# Altium PCB ZYNQ_JTY_16CH.PcbDoc (part 1 of 5) (continued)
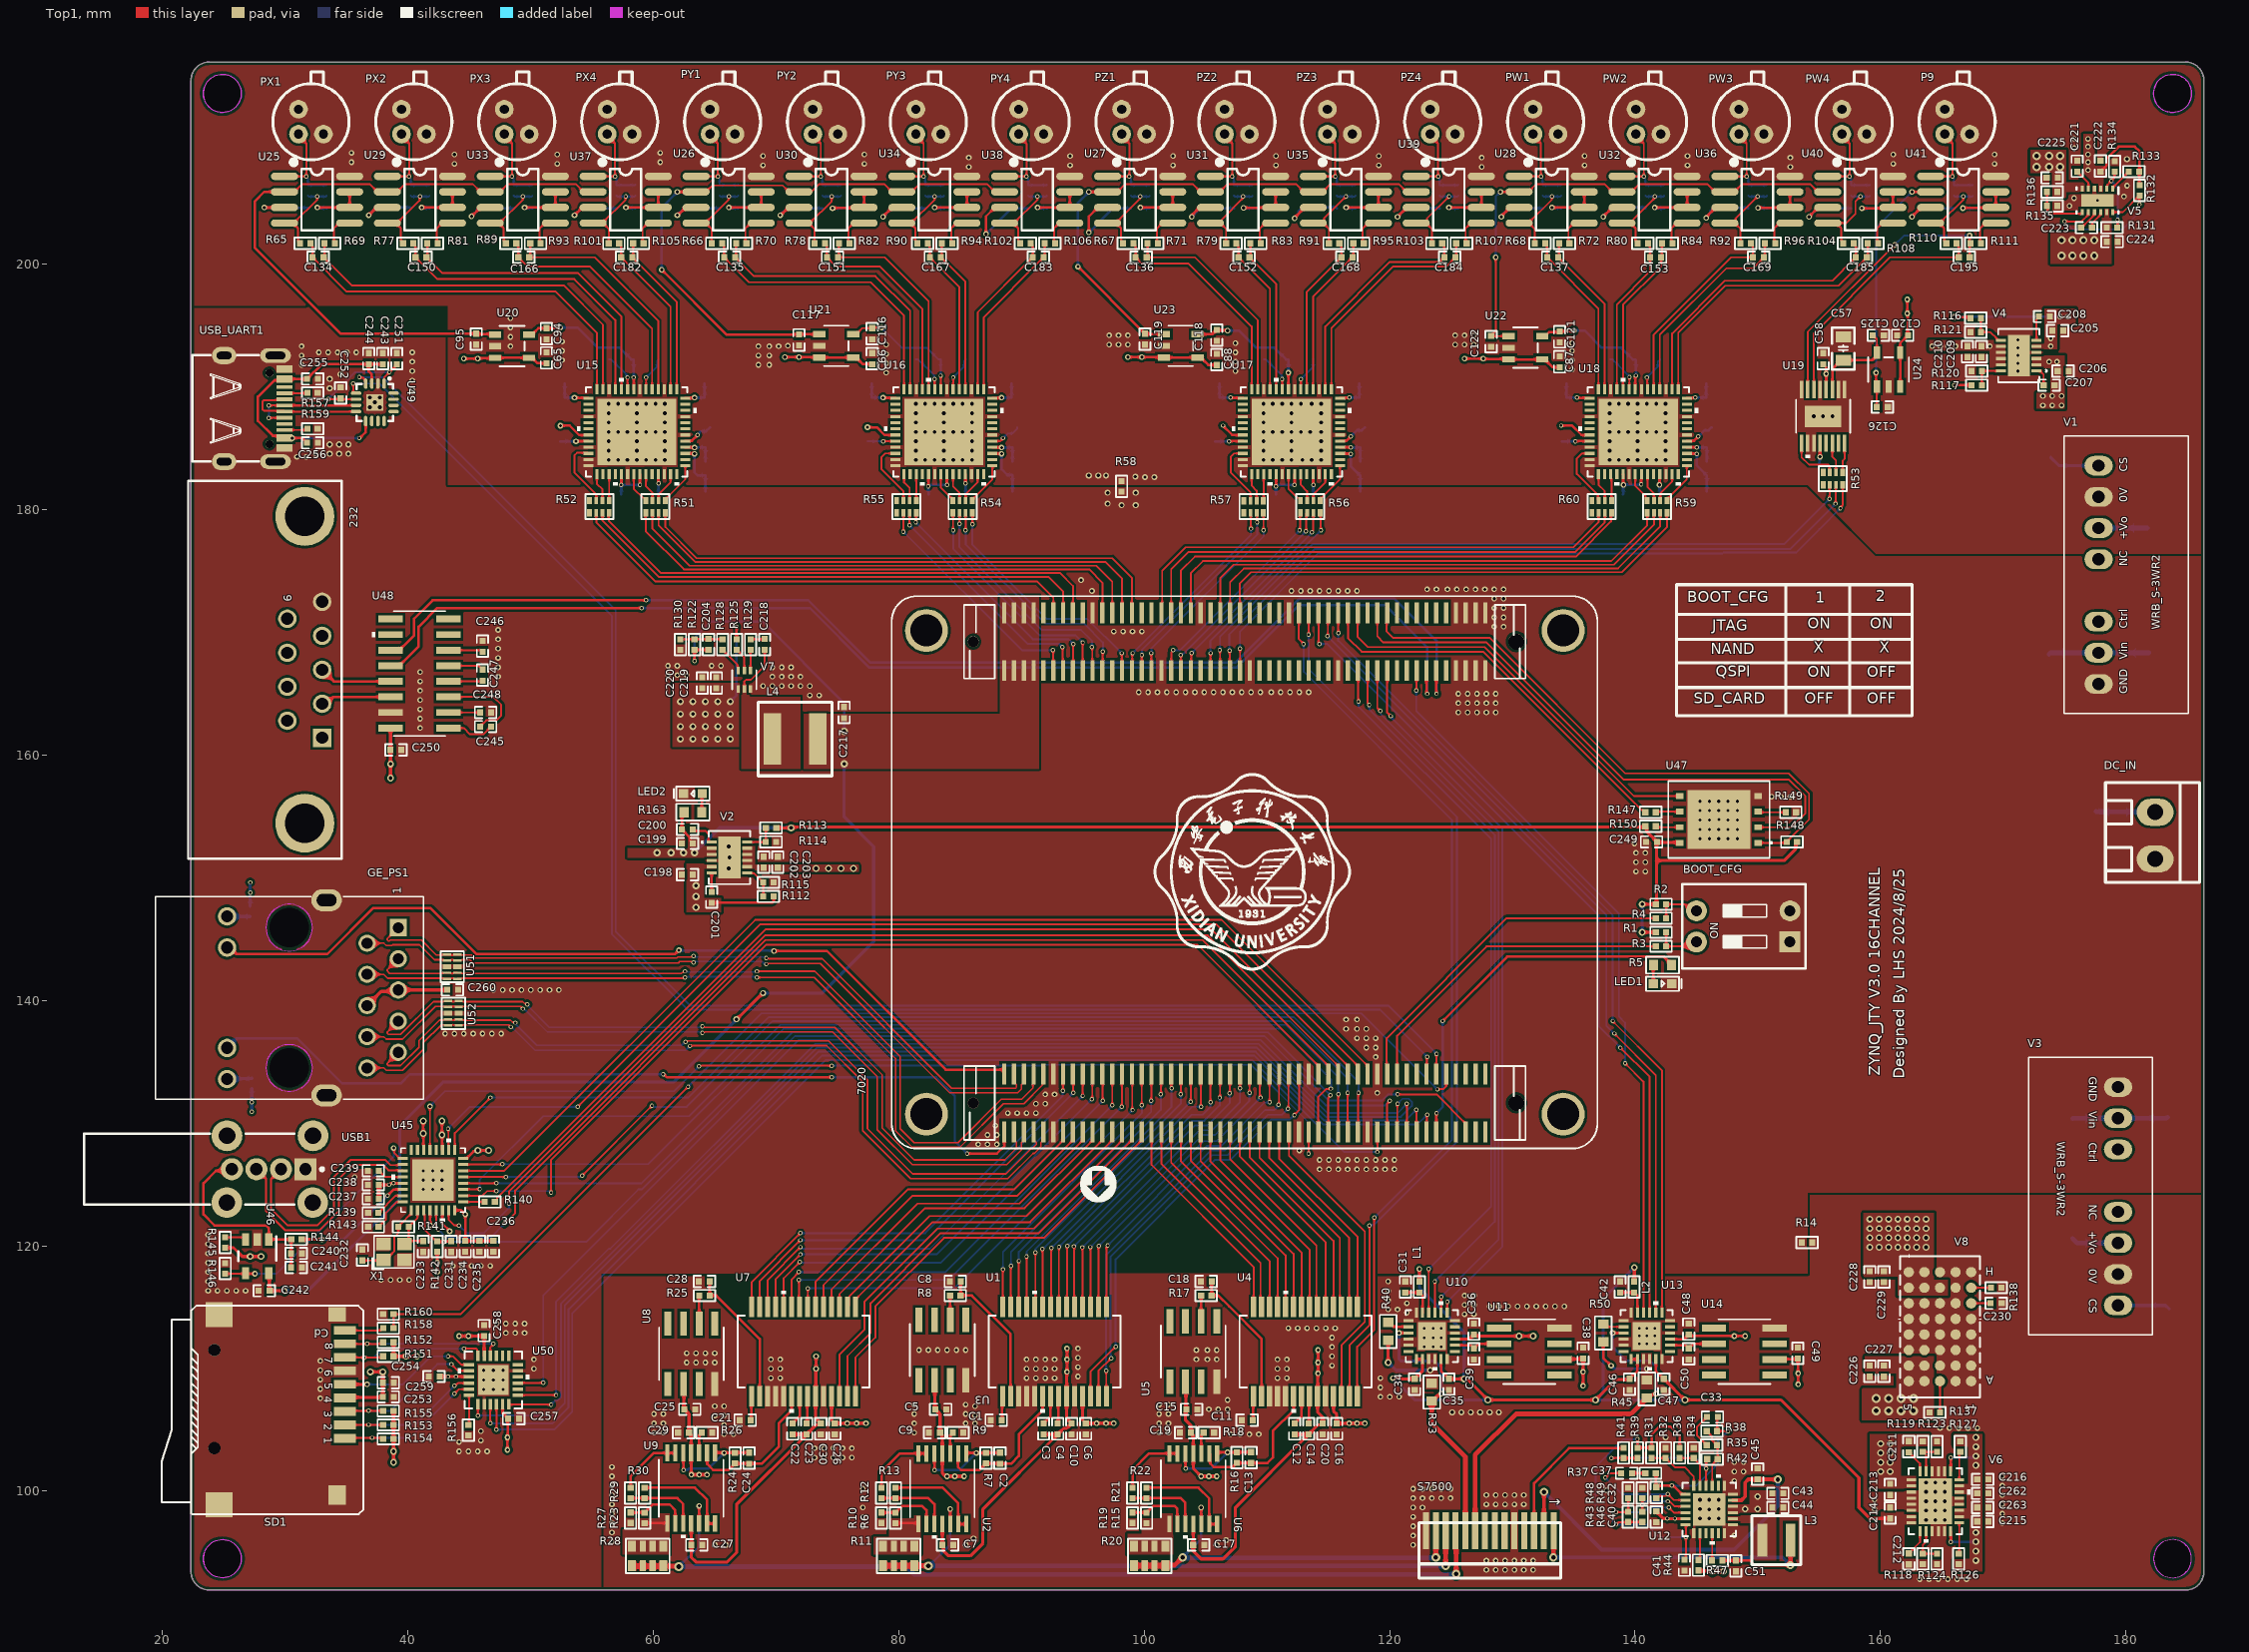
[diagram p0: Top1 view]
## Components (designator, comment, footprint, x,y, rotation, side; value= is the part's Value field where it differs from the comment) (continued)
C207 "10n" C0402_L 173.736,190.119 r0 top
C208 "10n" C0402_L 173.355,195.707 r0 top
C209 "1u" C0402_L 168.217,192.855 r270 top
C210 "104" C0402_L 167.074,192.855 r270 top
C211 "10n" C0402_L 162.306,103.632 r90 top
C212 "10n" C0402_L 162.306,94.491 r270 top
C213 "10u" C0402_L 160.782,100.145 r90 top
C214 "3.3u" C0402_L 160.782,98.229 r270 top
C215 "3.3u" C0402_L 168.333,97.536 r180 top
C216 "3.3u" C0402_L 168.333,100.965 r180 top
C217 "22u" C0402_L 75.565,163.449 r270 top
C218 "1u" C0402_L 69.088,168.996 r270 top
C219 "22u" C0402_L 65.151,165.862 r270 top
C220 "104" C0402_L 64.008,165.862 r270 top
C221 "4.7u" C0402_L 176.022,207.957 r90 top
C222 "4.7u" C0402_L 177.927,207.968 r90 top
C223 "1u" C0402_L 176.784,202.946 r0 top
C224 "2.2u" C0402_L 178.874,201.803 r180 top
C225 "2.2u" C0402_L 173.987,207.01 r180 top
C226 "22u" C0402_L 159.131,109.786 r270 top
C227 "104" C0402_L 160.274,109.786 r270 top
C228 "4.7u" C0402_L 159.131,117.475 r270 top
C229 "104" C0402_L 160.274,117.475 r270 top
C230 "22u" C0402_L 169.418,115.316 r0 top
C231 "10u" C0402_L 43.561,119.946 r90 top
C232 "18P" C0402_L 36.322,119.253 r270 top
C233 "18P" C0402_L 41.275,119.946 r90 top
C234 "104" C0402_L 44.704,119.957 r90 top
C235 "104" C0402_L 45.847,119.957 r90 top
C236 "104" C0402_L 46.99,119.957 r90 top
C237 "104" C0402_L 37.208,123.825 r0 top
C238 "2.2u" C0402_L 37.208,124.968 r0 top
C239 "4.7u" C0402_L 37.208,126.111 r0 top
C240 "104" C0402_L 30.941,119.38 r180 top
C241 "10u" C0402_L 30.941,118.237 r180 top
C242 "104" C0402_L 28.321,116.332 r0 top
C243 "104" C0402_L 37.973,192.278 r90 top
C244 "10u" C0402_L 36.83,192.278 r90 top
C245 "104" C0402_L 46.355,162.306 r180 top
C246 "104" C0402_L 46.101,168.852 r90 top
C247 "104" C0402_L 46.101,166.497 r270 top
C248 "104" C0402_L 46.355,163.449 r0 top
C249 "104" C0402_L 141.351,152.908 r0 top
C250 "104" C0402_L 39.047,160.401 r0 top
C251 "104" C0402_L 39.116,192.278 r270 top
C252 "104" C0402_L 34.544,189.484 r270 top
C253 "104" C0402_L 38.434,107.696 r0 top
C254 "10u" C0402_L 38.434,108.839 r0 top
C255 "104" C0402_L 32.258,190.627 r0 top
C256 "10u" C0402_L 32.258,185.42 r0 top
C257 "104" C0402_L 48.641,105.918 r0 top
C258 "104" C0402_L 46.228,113.088 r90 top
C259 "104" C0402_L 42.164,109.347 r180 top
C260 "104" C0402_L 43.669,140.851 r0 top
C261 "104" C0402_L 177.546,154.94 r90 bottom
C262 "3.3u" C0402_L 168.333,99.822 r180 top
C263 "3.3u" C0402_L 168.333,98.679 r180 top
DC_IN "HDR-1X2" KF128-3.81-2P 182.372,153.416 r270 top
E1 "47uF/16V" C_6032 181.737,181.483 r90 bottom
E2 "100uF/16V" C_6032 173.863,181.229 r270 bottom
E3 "100uF/16V" C_6032 181.864,171.323 r90 bottom
E4 "47uF/16V" C_6032 173.736,171.196 r90 bottom
E5 "47uF/16V" C_6032 175.641,117.602 r270 bottom
E6 "100uF/16V" C_6032 183.515,117.856 r90 bottom
E7 "100uF/16V" C_6032 183.388,133.477 r90 bottom
E8 "47uF/16V" C_6032 175.641,133.35 r90 bottom
E10 "10uF/16V" C_3216 179.324,153.67 r270 bottom
GE_PS1 "RJ45 (ATK911131A)" HR911131A 39.243,145.923 r270 top
L1 "120R@100MHz" FB0402 122.428,116.644 r270 top
L2 "120R@100MHz" FB0402 139.929,116.644 r270 top
L3 "1uH ±20% 2.3A XFL3012-102ME" SWPA3015 151.518,96.012 r180 top
L4 "4.7uH 4.5A" SWPA5020 71.573,161.29 r0 top
LED1 "SB色" LED0603_B 142.24,141.351 r0 top
LED2 "SB色" LED0603_B 63.246,156.845 r180 top
P9 "PD" PD 165.227,213.106 r90 top
PW1 "PD" PD 131.699,213.106 r90 top
PW2 "PD" PD 140.081,213.106 r90 top
PW3 "PD" PD 148.463,213.106 r90 top
PW4 "PD" PD 156.845,213.106 r90 top
PX1 "PD" PD 31.115,213.106 r90 top
PX2 "PD" PD 39.497,213.106 r90 top
PX3 "PD" PD 47.879,213.106 r90 top
PX4 "PD" PD 56.261,213.106 r90 top
PY1 "PD" PD 64.643,213.106 r90 top
PY2 "PD" PD 73.025,213.106 r90 top
PY3 "PD" PD 81.407,213.106 r90 top
PY4 "PD" PD 89.789,213.106 r90 top
PZ1 "PD" PD 98.171,213.106 r90 top
PZ2 "PD" PD 106.553,213.106 r90 top
PZ3 "PD" PD 114.935,213.106 r90 top
PZ4 "PD" PD 123.317,213.106 r90 top
R1 "1K" R0402_L 142.113,145.542 r180 top
R2 "1K" R0402_L 142.113,147.828 r180 top
R3 "20K" R0402_L 142.113,144.399 r180 top
R4 "20K" R0402_L 142.113,146.685 r180 top
R5 "510R" R0603_L 142.24,142.875 r180 top
R6 "200R 1%" R0402_L 79.756,97.834 r270 top
R7 "200R 1%" R0402_L 87.122,102.699 r90 top
R8 "2K 1%" R0402_L 84.626,115.951 r0 top
R9 "200R 1%" R0402_L 84.836,104.775 r180 top
R10 "200R 1%" R0402_L 78.613,97.84 r90 top
R11 "200R 1%" RCA-8P4R-0603 80.01,94.742 r0 top
R12 "200R 1%" R0402_L 78.613,99.86 r270 top
R13 "200R 1%" R0402_L 79.756,99.866 r90 top
R14 "0R" R0402_L 154.007,120.269 r180 top
R15 "200R 1%" R0402_L 100.203,97.834 r270 top
R16 "200R 1%" R0402_L 107.569,102.746 r90 top
R17 "2K 1%" R0402_L 105.073,115.951 r0 top
R18 "200R 1%" R0402_L 105.283,104.775 r180 top
R19 "200R 1%" R0402_L 99.06,97.84 r90 top
R20 "200R 1%" RCA-8P4R-0603 100.457,94.742 r0 top
R21 "200R 1%" R0402_L 99.06,99.86 r270 top
R22 "200R 1%" R0402_L 100.203,99.866 r90 top
R23 "200R 1%" R0402_L 59.309,97.834 r270 top
R24 "200R 1%" R0402_L 66.675,102.699 r90 top
R25 "2K 1%" R0402_L 64.179,115.951 r0 top
R26 "200R 1%" R0402_L 64.389,104.775 r180 top
R27 "200R 1%" R0402_L 58.166,97.84 r90 top
R28 "820R 1%" RCA-8P4R-0603 59.563,94.742 r0 top
R29 "200R 1%" R0402_L 58.166,99.86 r270 top
R30 "200R 1%" R0402_L 59.309,99.866 r90 top
R31 "20K" R0402_L 141.351,103.124 r270 top
R32 "20K" R0402_L 142.494,103.124 r270 top
R33 "2.2R" R0603_L 123.444,108.077 r270 top
R34 "20K" R0402_L 144.78,103.124 r270 top
R35 "20K" R0402_L 146.26,103.759 r0 top
R36 "20K" R0402_L 143.637,103.124 r270 top
R37 "100K" R0402_L 141.268,101.473 r0 top
R38 "1M" R0402_L 146.26,104.902 r180 top
R39 "18K" R0402_L 140.208,103.124 r270 top
R40 "2.2R" R0603_L 119.888,113.03 r90 top
R41 "8.2K" R0402_L 139.065,103.124 r270 top
R42 "82K" R0402_L 146.304,102.616 r0 top
R43 "200K" R0402_L 139.446,97.917 r270 top
R44 "10K" R0402_L 145.161,93.98 r90 top
R45 "2.2R" R0603_L 140.97,108.331 r270 top
R46 "6.8K" R0402_L 140.589,97.917 r270 top
R47 "50R" R0402_L 146.685,94.361 r180 top
R48 "43K" R0402_L 139.446,99.866 r270 top
R49 "10K" R0402_L 140.589,99.866 r270 top
R50 "2.2R" R0603_L 137.414,112.903 r90 top
R51 "33R" RCA-8P4R-0402 60.198,180.213 r180 top
R52 "33R" RCA-8P4R-0402 55.626,180.213 r180 top
R53 "33R" RCA-8P4R-0402 156.121,182.507 r180 top
R54 "33R" RCA-8P4R-0402 85.217,180.213 r180 top
R55 "33R" RCA-8P4R-0402 80.645,180.213 r180 top
R56 "33R" RCA-8P4R-0402 113.538,180.213 r180 top
R57 "33R" RCA-8P4R-0402 108.928,180.205 r180 top
R58 "0R" R0402_L 98.171,181.864 r270 top
R59 "33R" RCA-8P4R-0402 141.793,180.213 r180 top
R60 "33R" RCA-8P4R-0402 137.287,180.213 r180 top
R61 "200K 1%" R0402_L 31.877,205.994 r270 bottom
R62 "200K 1%" R0402_L 65.405,205.994 r270 bottom
R63 "200K 1%" R0402_L 98.933,205.994 r270 bottom
R64 "200K 1%" R0402_L 132.461,205.994 r270 bottom
R65 "25R 1%" R0402_L 31.667,201.676 r0 top
R66 "25R 1%" R0402_L 65.195,201.676 r0 top
R67 "25R 1%" R0402_L 98.723,201.676 r0 top
R68 "25R 1%" R0402_L 132.251,201.676 r0 top
R69 "25R 1%" R0402_L 33.655,201.676 r180 top
R70 "25R 1%" R0402_L 67.183,201.676 r180 top
R71 "25R 1%" R0402_L 100.711,201.676 r180 top
R72 "25R 1%" R0402_L 134.239,201.676 r180 top
R73 "200K 1%" R0402_L 40.259,205.994 r270 bottom
R74 "200K 1%" R0402_L 73.787,205.994 r270 bottom
R75 "200K 1%" R0402_L 107.315,205.994 r270 bottom
R76 "200K 1%" R0402_L 140.843,205.994 r270 bottom
R77 "25R 1%" R0402_L 40.049,201.676 r0 top
R78 "25R 1%" R0402_L 73.577,201.676 r0 top
R79 "25R 1%" R0402_L 107.105,201.676 r0 top
R80 "25R 1%" R0402_L 140.633,201.676 r0 top
R81 "25R 1%" R0402_L 42.037,201.676 r180 top
R82 "25R 1%" R0402_L 75.565,201.676 r180 top
R83 "25R 1%" R0402_L 109.093,201.676 r180 top
R84 "25R 1%" R0402_L 142.621,201.676 r180 top
R85 "200K 1%" R0402_L 48.641,205.994 r270 bottom
R86 "200K 1%" R0402_L 82.169,205.994 r270 bottom
R87 "200K 1%" R0402_L 115.697,205.994 r270 bottom
R88 "200K 1%" R0402_L 149.225,205.994 r270 bottom
R89 "25R 1%" R0402_L 48.431,201.676 r0 top
R90 "25R 1%" R0402_L 81.959,201.676 r0 top
R91 "25R 1%" R0402_L 115.487,201.676 r0 top
R92 "25R 1%" R0402_L 149.015,201.676 r0 top
R93 "25R 1%" R0402_L 50.419,201.676 r180 top
R94 "25R 1%" R0402_L 83.947,201.676 r180 top
R95 "25R 1%" R0402_L 117.475,201.676 r180 top
R96 "25R 1%" R0402_L 151.003,201.676 r180 top
R97 "200K 1%" R0402_L 57.023,205.994 r270 bottom
R98 "200K 1%" R0402_L 90.551,205.994 r270 bottom
R99 "200K 1%" R0402_L 124.079,205.994 r270 bottom
R100 "200K 1%" R0402_L 157.607,205.994 r270 bottom
R101 "25R 1%" R0402_L 56.813,201.676 r0 top
R102 "25R 1%" R0402_L 90.341,201.676 r0 top
R103 "25R 1%" R0402_L 123.869,201.676 r0 top
R104 "25R 1%" R0402_L 157.397,201.676 r0 top
R105 "25R 1%" R0402_L 58.801,201.676 r180 top
R106 "25R 1%" R0402_L 92.329,201.676 r180 top
R107 "25R 1%" R0402_L 125.857,201.676 r180 top
R108 "25R 1%" R0402_L 159.385,201.676 r180 top
R109 "200K 1%" R0402_L 165.989,205.994 r270 bottom
R110 "25R 1%" R0402_L 165.779,201.676 r0 top
R111 "25R 1%" R0402_L 167.767,201.676 r180 top
R112 "120K 1%" R0402_L 69.4,148.463 r0 top
R113 "422K 1%" R0402_L 69.616,154.051 r0 top
R114 "249K 1%" R0402_L 69.61,152.908 r180 top
R115 "249K 1%" R0402_L 69.4,149.606 r180 top
R116 "261K 1%" R0402_L 167.747,195.58 r180 top
R117 "422K 1%" R0402_L 167.836,190.119 r180 top
R118 "357K 1%" R0402_L 163.449,94.488 r270 top
R119 "619K 1%" R0402_L 163.449,103.635 r90 top
R120 "249K 1%" R0402_L 167.836,191.262 r0 top
R121 "249K 1%" R0402_L 167.753,194.437 r0 top
R122 "47K 1%" R0402_L 63.373,168.993 r270 top
R123 "200K 1%" R0402_L 164.592,103.629 r270 top
R124 "210K 1%" R0402_L 164.592,94.494 r90 top
R125 "100K" R0402_L 66.802,168.993 r270 top
R126 "1M" R0402_L 166.37,94.488 r270 top
R127 "1M" R0402_L 166.497,103.632 r90 top
R128 "40.2K 1%" R0402_L 65.659,168.993 r270 top
R129 "10R" R0402_L 67.945,168.993 r270 top
R130 "7.68K" R0402_L 62.23,168.993 r90 top
R131 "140K 1%" R0402_L 178.86,202.946 r180 top
R132 "4.7K" R0402_L 181.102,205.994 r90 top
R133 "10K" R0402_L 180.638,207.518 r0 top
R134 "60K 1%" R0402_L 179.07,207.943 r270 top
R135 "62K 1%" R0402_L 173.99,204.724 r0 top
R136 "140K 1%" R0402_L 173.984,205.867 r180 top
R137 "60.4K 1%" R0402_L 164.421,106.426 r0 top
R138 "130K 1%" R0402_L 169.418,116.586 r180 top
R139 "10K" R0402_L 37.205,122.682 r180 top
R140 "33R" R0402_L 46.692,123.571 r180 top
R141 "1M" R0402_L 39.668,121.539 r180 top
R142 "1.5K" R0402_L 42.418,119.943 r270 top
R143 "8K06" R0402_L 37.211,121.539 r0 top
R144 "1K" R0402_L 30.944,120.523 r0 top
R145 "100K" R0402_L 25.146,120.269 r90 top
R146 "10K" R0402_L 25.146,118.154 r90 top
R147 "33R" R0402_L 141.268,155.321 r180 top
R148 "4.7K" R0402_L 152.781,152.908 r0 top
R149 "4.7K" R0402_L 152.698,155.321 r0 top
R150 "4.7K" R0402_L 141.268,154.178 r180 top
R151 "4.7K" R0402_L 38.431,110.998 r180 top
R152 "4.7K" R0402_L 38.431,112.141 r180 top
R153 "4.7K" R0402_L 38.431,105.41 r180 top
R154 "4.7K" R0402_L 38.431,104.267 r180 top
R155 "4.7K" R0402_L 38.431,106.553 r180 top
R156 "4.7K" R0402_L 44.958,104.985 r270 top
R157 "5.1K" R0402_L 32.255,189.484 r180 top
R158 "330R" R0402_L 38.437,113.284 r0 top
R159 "5.1K" R0402_L 32.255,186.563 r180 top
R160 "10K" R0402_L 38.431,114.427 r180 top
R161 "510R" R0402_L 27.178,147.237 r90 bottom
R162 "510R" R0402_L 27.305,133.223 r90 bottom
R163 "510R" R0603_L 63.246,155.321 r0 top
S7500 "S7500" S7500-14*0.8mm 128.283,100.092 r0 top
SD1 "Micro SD" "Micro SD" 24.657,114.405 r270 top
U1 "LTC1668IGTRPBF" SSOP-28_G_LIT 92.71,111.379 r270 top
U2 "ADA4807-4ARUZ-R7" RU-14_ADI 83.566,100.203 r270 top
U3 "ADR4525BRZ" R_8_ADI 83.566,111.506 r90 top
U4 "LTC1668IGTRPBF" SSOP-28_G_LIT 113.157,111.379 r270 top
U5 "ADR4525BRZ" R_8_ADI 104.013,111.379 r90 top
U6 "ADA4807-4ARUZ-R7" RU-14_ADI 104.013,100.203 r270 top
U7 "LTC1668IGTRPBF" SSOP-28_G_LIT 72.263,111.379 r270 top
U8 "ADR4525BRZ" R_8_ADI 63.119,111.201 r90 top
U9 "ADA4807-4ARUZ-R7" RU-14_ADI 63.104,100.246 r270 top
U10 "ADN8810ACPZ" CP_24_1_ADI 123.444,112.649 r0 top
U11 "ADR292ERZ" R_8_ADI 131.394,111.379 r180 top
U12 "ADN8834ACPZ-R2" CP_24_7_ADI 146.038,98.514 r0 top
U13 "ADN8810ACPZ" CP_24_1_ADI 140.945,112.649 r0 top
U14 "ADR292ERZ" R_8_ADI 148.895,111.379 r180 top
U15 "LTC2325HUKG-16PBF" UKG_52A_ADI 58.674,186.309 r270 top
U16 "LTC2325HUKG-16PBF" UKG_52A_ADI 83.693,186.309 r270 top
U17 "LTC2325HUKG-16PBF" UKG_52A_ADI 112.014,186.309 r270 top
U18 "LTC2325HUKG-16PBF" UKG_52A_ADI 140.269,186.309 r270 top
U19 "LTC2311HMSE-16PBF" MSE_16_ADI 155.321,187.579 r270 top
U20 "REF1933AIDDCT" DDC5_TEX 48.514,193.294 r0 top
U21 "REF1933AIDDCT" DDC5_TEX 74.93,193.319 r0 top
U22 "REF1933AIDDCT" DDC5_TEX 131.064,193.167 r0 top
U23 "REF1933AIDDCT" DDC5_TEX 102.997,193.319 r0 top
U24 "REF1933AIDDCT" DDC5_TEX 160.655,191.389 r90 top
U25 "OPA862IDR" SOIC-8 32.626,205.232 r0 top
U26 "OPA862IDR" SOIC-8 66.154,205.232 r0 top
U27 "OPA862IDR" SOIC-8 99.682,205.232 r0 top
U28 "OPA862IDR" SOIC-8 133.21,205.232 r0 top
U29 "OPA862IDR" SOIC-8 41.008,205.232 r0 top
U30 "OPA862IDR" SOIC-8 74.536,205.232 r0 top
U31 "OPA862IDR" SOIC-8 108.064,205.232 r0 top
U32 "OPA862IDR" SOIC-8 141.592,205.232 r0 top
U33 "OPA862IDR" SOIC-8 49.39,205.232 r0 top
U34 "OPA862IDR" SOIC-8 82.918,205.232 r0 top
U35 "OPA862IDR" SOIC-8 116.446,205.232 r0 top
U36 "OPA862IDR" SOIC-8 149.974,205.232 r0 top
U37 "OPA862IDR" SOIC-8 57.772,205.232 r0 top
U38 "OPA862IDR" SOIC-8 91.3,205.232 r0 top
U39 "OPA862IDR" SOIC-8 124.828,205.232 r0 top
U40 "OPA862IDR" SOIC-8 158.356,205.232 r0 top
U41 "OPA862IDR" SOIC-8 166.738,205.232 r0 top
U45 "USB3320C-EZK" QFN32_5X5MC_MCH 42.075,125.349 r180 top
U46 "TPS2051BDBVR" DBV0005A_N 27.752,119.148 r270 top
U47 "N25Q128A13BF840F" VDFPN8_8X6_MRN 146.837,154.737 r180 top
U48 "SP3232EEN-L" NSOIC-16_MXL 40.97,166.624 r180 top
U49 "CH343P" QFN16_3X3 37.334,188.72 r180 top
U50 "TXS02612RTWR" RTW24_2P45X2P45 46.99,109.068 r90 top
U51 "AZ1143-04F" DFN2510P10E 43.199,143.748 r0 top
U52 "AZ1143-04F" DFN2510P10E 43.288,139.946 r0 top
USB1 "USB" USB2.0_Type-A_DIP_F_3 13.126,126.238 r180 top
USB_UART1 "USB TypeC" "USB Type-C" 27.518,188.214 r270 top
V1 "WRB1205S-3WR2" WRB_S-3WR2 177.768,174.666 r90 top
V2 "LT3024EDEPBF" DFN-12_DE_LIT 66.225,151.638 r0 top
V3 "WRB1209S-3WR2" WRB_S-3WR2 179.356,124.038 r270 top
V4 "LT3024EDEPBF" DFN-12_DE_LIT 171.265,192.532 r180 top
V5 "LM27762DSSR" DSS0012B 177.685,205.166 r270 top
V6 "LT3030HUFDPBF" QFN-28_UFD_LIT 164.465,99.187 r0 top
V7 "MP1476LGTF-P" SOT563_MP1476L_MNP 67.437,166.116 r90 top
V8 "LTM8045IYPBF" BGA-40_11P25X6P25_LIT 164.846,113.411 r180 top
X1 "24M" XTAL-2025-4P 38.901,119.492 r0 top

## Footprints (in the part's own frame and the unit in brackets; to place one, negate y for a bottom-side part, rotate by r counter-clockwise, add the part's x,y. Pads: shape width x height; smd on the part's side, far side on the other; paste and mask are expansions set on the pad)
BGA-40_11P25X6P25_LIT [mil]
  round 33 smd paste+0 mask+0: A1(-100,175) A2(-50,175) A3(0,175) A4(50,175) A5(100,175) B1(-100,125) B2(-50,125) B3(0,125) B4(50,125) B5(100,125) C1(-100,75) C2(-50,75) C3(0,75) C4(50,75) C5(100,75) D1(-100,25) D2(-50,25) D3(0,25) D4(50,25) D5(100,25) E1(-100,-25) E2(-50,-25) E3(0,-25) E4(50,-25) E5(100,-25) F1(-100,-75) F2(-50,-75) F3(0,-75) F4(50,-75) F5(100,-75) G1(-100,-125) G2(-50,-125) G3(0,-125) G4(50,-125) G5(100,-125) H1(-100,-175) H2(-50,-175) H3(0,-175) H4(50,-175) H5(100,-175)
  silkscreen extent -133,-232 133,231, body extent -123,-221 123,221, height 202
C0402_L [mm] "贴片MLCC电容"
  rect 0.5x0.5 smd: 1(-0.45,0) 2(0.45,0)
  silkscreen extent -0.87,-0.46 0.88,0.46, body extent -0.5,-0.25 0.5,0.25, height 0.5
C0805_L [mil] "贴片MLCC电容"
  rect 35x50 smd: 1(-37.4,0) 2(37.4,0)
  silkscreen extent -67,-36 67,36, body extent -39,-26 39,26, height 51
C_3216 [mm] "长3.2mm，宽1.6mm，厚1.6mm"
  rect 1.2x1.4 smd: 1(-1.7,0) 2(1.7,0)
  silkscreen extent -2.74,-1.02 2.67,1.02, body extent -1.6,-0.8 1.6,0.8, height 1.63
C_6032 [mm] "长6.0mm，宽3.2mm，厚2.5mm"
  rect 2.2x2.2 smd: 1(-3,0) 2(3,0)
  silkscreen extent -4.7,-1.78 4.44,1.78, body extent -3,-1.6 3,1.6, height 2.53
CP_24_1_ADI [mil]
  rect 32x10 smd paste+0 mask+0: 1(-74.5,49.21) 2(-74.5,29.53) 3(-74.5,9.84) 4(-74.5,-9.84) 5(-74.5,-29.53) 6(-74.5,-49.21) 13(74.5,-49.21) 14(74.5,-29.53) 15(74.5,-9.84) 16(74.5,9.84) 17(74.5,29.53) 18(74.5,49.21)
  rect 10x32 smd paste+0 mask+0: 7(-49.21,-74.5) 8(-29.53,-74.5) 9(-9.84,-74.5) 10(9.84,-74.5) 11(29.53,-74.5) 12(49.21,-74.5) 19(49.21,74.5) 20(29.53,74.5) 21(9.84,74.5) 22(-9.84,74.5) 23(-29.53,74.5) 24(-49.21,74.5)
  rect 89x89 smd paste+0 mask+0: 25(0,0)
  silkscreen extent -83,-110 84,110, body extent -79,-79 79,79, height 39
CP_24_7_ADI [mil]
  rect 32x10 smd paste+0 mask+0: 1(-76.5,49.21) 2(-76.5,29.53) 3(-76.5,9.84) 4(-76.5,-9.84) 5(-76.5,-29.53) 6(-76.5,-49.21) 13(76.5,-49.21) 14(76.5,-29.53) 15(76.5,-9.84) 16(76.5,9.84) 17(76.5,29.53) 18(76.5,49.21)
  rect 10x32 smd paste+0 mask+0: 7(-49.21,-76.5) 8(-29.53,-76.5) 9(-9.84,-76.5) 10(9.84,-76.5) 11(29.53,-76.5) 12(49.21,-76.5) 19(49.21,76.5) 20(29.53,76.5) 21(9.84,76.5) 22(-9.84,76.5) 23(-29.53,76.5) 24(-49.21,76.5)
  rect 104x104 smd paste-52 mask+0: 25(0,0)
  silkscreen extent -86,-112 86,112, body extent -81,-81 81,81, height 32
DB-9-H [mm] "9 pins, right angled, 8.08mm, with hex screw"
  rect 1.5x1.5 hole 1: 1(5.54,4.67)
  round 1.5 hole 1: 2(2.77,4.67) 3(0,4.67) 4(-2.77,4.67) 5(-5.54,4.67) 6(4.155,1.83) 7(1.385,1.83) 8(-1.385,1.83) 9(-4.155,1.83)
  round 4.8 hole 3.2: M1(-12.5,3.25) M2(12.5,3.25)
  silkscreen extent -15.4,-6.25 15.4,6.25, body extent -15.58,-12.8 15.32,5.7, height 12.65
DBV0005A_N [mm]
  rect 1x0.6 smd paste+0 mask+0.051: 1(-1.375,0.95) 2(-1.375,0) 3(-1.375,-0.95) 4(1.375,-0.95) 5(1.375,0.95)
  silkscreen extent -1.63,-1.55 0.38,1.55
DDC5_TEX [mil]
  rect 39.5x20 smd paste+0 mask+0: 1(-54.25,37.4) 2(-54.25,0) 3(-54.25,-37.4) 4(54.25,-37.4) 5(54.25,37.4)
  silkscreen extent -40,-65 40,65, body extent -60,-60 60,60, height 43
DFN2510P10E [mm]
  rect 0.68x0.2 smd: 1(0,0) 2(0,-0.5) 4(0,-1.5) 5(0,-2) 6(0.87,-2) 7(0.87,-1.5) 9(0.87,-0.5) 10(0.87,0)
  rect 0.68x0.4 smd: 3(0,-1) 8(0.87,-1)
  silkscreen extent -0.51,-2.29 1.4,0.25
DFN-12_DE_LIT [mil]
  rect 32x10 smd paste+0 mask+0: 1(-57,49.21) 2(-57,29.53) 3(-57,9.84) 4(-57,-9.84) 5(-57,-29.53) 6(-57,-49.21) 7(57,-49.21) 8(57,-29.53) 9(57,-9.84) 10(57,9.84) 11(57,29.53) 12(57,49.21)
  rect 71x134 smd paste+0 mask+0: 13(0,0)
  silkscreen extent -90,-86 66,86, body extent -61,-81 61,81, height 32
DSS0012B [mm]
  rect 0.5x0.25 smd paste+0 mask+0.051: 1(-0.95,1.25) 2(-0.95,0.75) 3(-0.95,0.25) 4(-0.95,-0.25) 5(-0.95,-0.75) 6(-0.95,-1.25) 7(0.95,-1.25) 8(0.95,-0.75) 9(0.95,-0.25) 10(0.95,0.25) 11(0.95,0.75) 12(0.95,1.25)
  round 0.5 / inner round 1.524 / far side round 0.5 hole 0.203 paste-0.25 mask+0.051: 13(0,0)
  rect 1x2.65 smd paste-0.5 mask+0.051: 13(0,0)
  silkscreen extent -1.05,-1.7 1.05,1.7
FB0402 [mm] "0402贴片磁珠"
  rect 0.5x0.5 smd: 1(-0.45,0) 2(0.45,0)
  silkscreen extent -0.87,-0.46 0.88,0.46, body extent -0.51,-0.26 0.51,0.26, height 0.52
HR911131A [mm]
  rect 1.4x1.4 hole 0.9 mask+0.05: 1(0,0)
  round 1.4 hole 0.9 mask+0.05: 2(1.27,-2.54) 3(2.54,0) 4(3.81,-2.54) 5(5.08,0) 6(6.35,-2.54) 7(7.62,0) 8(8.89,-2.54) 9(10.16,0) 10(11.43,-2.54)
  round 1.5 hole 1 mask+0.05: 11(-0.915,-13.95) 12(1.625,-13.95) 13(9.805,-13.95) 14(12.345,-13.95)
  oval 1.8x2.5 hole 1 slot 1.6 at 90 deg mask+0.05: 15(13.665,-5.84) 16(-2.235,-5.84)
  round 1 hole 3.2 unplated mask+0.1: 17(0,-8.89) 18(11.43,-8.89)
  Multi-Layer keep-out circle w0.01: c0,-8.89 r1.9
  Multi-Layer keep-out circle w0.01: c11.43,-8.89 r1.9
  silkscreen extent -2.54,-19.79 13.97,2.05, body extent -2.54,-19.79 13.97,2.05, height 17
KF128-3.81-2P [mm] "螺钉式接线端子，脚距3.81mm"
  oval 2.2x3 hole 1.3: 1(-1.905,0) 2(1.905,0)
  silkscreen extent -4.32,-4.04 3.81,3.63, body extent -4.31,-3.9 3.81,3.5, height 8.55
LED0603_B [mil] "蓝色0603LED"
  rect 30x30 smd: 1(-30,0) 2(30,0)
  silkscreen extent -53,-23 61,23, body extent -31,-16 32,16, height 18
"Micro SD" [mm]
  rect 2.032x2.2 smd: 0(0,0) 0(15.5,0)
  rect 1.2x1.4 smd: 0(0,9.6)
  round 1 hole 1 unplated: 0(2.9,-0.4) 0(10.9,-0.4)
  rect 1.6x1.4 smd: 0(14.7,9.6)
  rect 0.7x1.8 smd: 1(10.1,10.227) 2(9,10.227) 3(7.9,10.227) 4(6.8,10.227) 5(5.7,10.227) 6(4.6,10.227) 7(3.5,10.227) 8(2.4,10.227) 9(1.3,10.227)
  silkscreen extent -0.72,-4.68 16.27,11.75, body extent -0.27,-4.63 16,10.57, height 1.8
MSE_16_ADI [mil]
  rect 55x11 smd paste+0 mask+0: 1(-86,68.9) 2(-86,49.21) 3(-86,29.53) 4(-86,9.84) 5(-86,-9.84) 6(-86,-29.53) 7(-86,-49.21) 8(-86,-68.9) 9(86,-68.9) 10(86,-49.21) 11(86,-29.53) 12(86,-9.84) 13(86,9.84) 14(86,29.53) 15(86,49.21) 16(86,68.9)
  rect 69x116 smd paste-57.5 mask+0: 17(0,0)
  silkscreen extent -53,-87 134,87, body extent -99,-81 99,81, height 43
NSOIC-16_MXL [mil]
  rect 78x22 smd paste+0 mask+0: 1(-93,175) 2(-93,125) 3(-93,75) 4(-93,25) 5(-93,-25) 6(-93,-75) 7(-93,-125) 8(-93,-175) 9(93,-175) 10(93,-125) 11(93,-75) 12(93,-25) 13(93,25) 14(93,75) 15(93,125) 16(93,175)
  silkscreen extent -82,-200 152,200, body extent -118,-195 118,195, height 69
PD [mil]
  round 60 hole 30: 1(-100,-80) 2(-100,0) 3(-20,0)
  silkscreen extent -182,-162 100,82
QFN16_3X3 [mm]
  round 0.508 hole 0.356: 0(0,0)
  rect 1.35x1.35 smd mask+0.051: 0(0,0)
  oval 0.28x0.85 smd mask+0.051: 1(-0.75,-1.526) 2(-0.25,-1.526) 3(0.25,-1.526) 4(0.75,-1.526) 9(0.75,1.526) 10(0.25,1.526) 11(-0.25,1.526) 12(-0.75,1.526)
  oval 0.85x0.28 smd mask+0.051: 5(1.526,-0.75) 6(1.526,-0.25) 7(1.526,0.25) 8(1.526,0.75) 13(-1.526,0.75) 14(-1.526,0.25) 15(-1.526,-0.25) 16(-1.526,-0.75)
  silkscreen extent -1.5,-2.02 1.5,1.5, body extent -1.52,-1.52 1.52,1.52, height 0.25
QFN32_5X5MC_MCH [mil]
  rect 32x10 smd paste+0 mask+0: 1(-96.5,70) 2(-96.5,50) 3(-96.5,30) 4(-96.5,10) 5(-96.5,-10) 6(-96.5,-30) 7(-96.5,-50) 8(-96.5,-70) 17(96.5,-70) 18(96.5,-50) 19(96.5,-30) 20(96.5,-10) 21(96.5,10) 22(96.5,30) 23(96.5,50) 24(96.5,70)
  rect 10x32 smd paste+0 mask+0: 9(-70,-96.5) 10(-50,-96.5) 11(-30,-96.5) 12(-10,-96.5) 13(10,-96.5) 14(30,-96.5) 15(50,-96.5) 16(70,-96.5) 25(70,96.5) 26(50,96.5) 27(30,96.5) 28(10,96.5) 29(-10,96.5) 30(-30,96.5) 31(-50,96.5) 32(-70,96.5)
  rect 134x134 smd paste-66.5 mask-66.5: 33(0,0)
  silkscreen extent -103,-132 132,132, body extent -101,-101 101,101, height 65
QFN-28_UFD_LIT [mm]
  rect 0.805x0.249 smd paste+0 mask+0: 1(-1.952,1.75) 2(-1.952,1.25) 3(-1.952,0.75) 4(-1.952,0.25) 5(-1.952,-0.25) 6(-1.952,-0.75) 7(-1.952,-1.25) 8(-1.952,-1.75) 15(1.952,-1.75) 16(1.952,-1.25) 17(1.952,-0.75) 18(1.952,-0.25) 19(1.952,0.25) 20(1.952,0.75) 21(1.952,1.25) 22(1.952,1.75)
  rect 0.249x0.805 smd paste+0 mask+0: 9(-1.25,-2.452) 10(-0.75,-2.452) 11(-0.25,-2.452) 12(0.25,-2.452) 13(0.75,-2.452) 14(1.25,-2.452) 23(1.25,2.452) 24(0.75,2.452) 25(0.25,2.452) 26(-0.25,2.452) 27(-0.75,2.452) 28(-1.25,2.452)
  rect 2.75x3.75 smd paste-1.375 mask+0: 29(0,0)
  silkscreen extent -2.18,-3.36 2.86,2.68, body extent -2.05,-2.55 2.05,2.55, height 0.8
R0402_L [mm] "1/16W贴片电阻"
  rect 0.5x0.5 smd: 1(-0.425,0) 2(0.425,0)
  silkscreen extent -0.88,-0.46 0.87,0.46, body extent -0.5,-0.25 0.5,0.25, height 0.3
R0603_L [mm] "1/10W贴片电阻"
  rect 0.75x0.85 smd: 1(-0.725,0) 2(0.725,0)
  silkscreen extent -1.35,-0.69 1.35,0.69, body extent -0.8,-0.4 0.8,0.4, height 0.4
R_8_ADI [mil]
  rect 78x22 smd paste+0 mask+0: 1(-97,75) 2(-97,25) 3(-97,-25) 4(-97,-75) 5(97,-75) 6(97,-25) 7(97,25) 8(97,75)
  silkscreen extent -84,-104 84,104, body extent -122,-99 122,99, height 69
RCA-8P4R-0402 [mm] "2mm*1mm*0.45mm(长*宽*厚)           联系卖家 免费查找封装"
  rect 0.4x0.6 smd: 1(-0.8,-0.5) 4(0.8,-0.5) 5(0.8,0.5) 8(-0.8,0.5)
  rect 0.3x0.6 smd: 2(-0.25,-0.5) 3(0.25,-0.5) 6(0.25,0.5) 7(-0.25,0.5)
  silkscreen extent -1.14,-1.02 1.15,1.01, body extent -1,-0.5 1,0.5, height 0.45
RCA-8P4R-0603 [mm] "3.2mm*1.6mm*0.6mm(长*宽*厚)            联系卖家 免费查找封装"
  rect 0.65x0.9 smd: 1(-1.28,-0.8) 4(1.28,-0.8) 5(1.28,0.8) 8(-1.28,0.8)
  rect 0.5x0.9 smd: 2(-0.4,-0.8) 3(0.4,-0.8) 6(0.4,0.8) 7(-0.4,0.8)
  silkscreen extent -1.78,-1.4 1.78,1.4, body extent -1.6,-0.8 1.6,0.8, height 0.6
RTW24_2P45X2P45 [mm]
  rect 0.85x0.28 smd paste-0.14 mask-0.419: 1(-1.975,1.25) 2(-1.975,0.75) 3(-1.975,0.25) 4(-1.975,-0.25) 5(-1.975,-0.75) 6(-1.975,-1.25) 13(1.975,-1.25) 14(1.975,-0.75) 15(1.975,-0.25) 16(1.975,0.25) 17(1.975,0.75) 18(1.975,1.25)
  rect 0.28x0.85 smd paste-0.14 mask-0.419: 7(-1.25,-1.975) 8(-0.75,-1.975) 9(-0.25,-1.975) 10(0.25,-1.975) 11(0.75,-1.975) 12(1.25,-1.975) 19(1.25,1.975) 20(0.75,1.975) 21(0.25,1.975) 22(-0.25,1.975) 23(-0.75,1.975) 24(-1.25,1.975)
  round 0.508 / inner round 1.524 / far side round 0.508 hole 0.254 paste-0.254 mask-0.254: 25(-0.787,0.787) 25(-0.787,0) 25(-0.787,-0.787) 25(0,0.787) 25(0,0) 25(0,-0.787) 25(0.787,0) 25(0.787,-0.787) 25(0.787,0.787)
  rect 2.45x2.45 smd paste-1.212 mask-1.206: 25(0,0)
  silkscreen extent -2.33,-2.91 2.33,2.91, body extent -2.13,-2.13 2.13,2.13, height 0.74
RU-14_ADI [mm]
  rect 1.356x0.351 smd paste+0 mask+0: 1(-2.878,1.95) 2(-2.878,1.3) 3(-2.878,0.65) 4(-2.878,0) 5(-2.878,-0.65) 6(-2.878,-1.3) 7(-2.878,-1.95) 8(2.878,-1.95) 9(2.878,-1.3) 10(2.878,-0.65) 11(2.878,0) 12(2.878,0.65) 13(2.878,1.3) 14(2.878,1.95)
  silkscreen extent -2.33,-2.63 4.06,2.63, body extent -3.2,-2.5 3.2,2.5, height 1.2
S7500-14*0.8mm [mm]
  rect 0.5x3 smd: 1(5.092,-3.318) 2(4.292,-3.318) 3(3.492,-3.318) 4(2.692,-3.318) 5(1.892,-3.318) 6(1.092,-3.318) 7(0.292,-3.318) 8(-0.508,-3.318) 9(-1.308,-3.318) 10(-2.108,-3.318) 11(-2.908,-3.318) 12(-3.708,-3.318) 13(-4.508,-3.318) 14(-5.308,-3.318)
  silkscreen extent -5.88,-7.16 5.66,-2.66
SOIC-8 [mm]
  oval 2.2x0.6 smd: 1(-2.654,1.905) 2(-2.654,0.635) 3(-2.654,-0.635) 4(-2.654,-1.905) 5(2.654,-1.905) 6(2.654,-0.635) 7(2.654,0.635) 8(2.654,1.905)
  silkscreen extent -2.06,-2.5 1.27,3.2, body extent -3,-2.5 3,2.5, height 1.9
SOT563_MP1476L_MNP [mil]
  rect 24x11 smd paste+0 mask+0: 1(-29.5,19.69) 2(-29.5,0) 3(-29.5,-19.68) 4(29.5,-19.68) 5(29.5,0) 6(29.5,19.69)
  silkscreen extent -31,-38 31,39, body extent -34,-34 34,34, height 22
SSOP-28_G_LIT [mil]
  rect 65x17 smd paste+0 mask+0: 1(-143,166.4) 2(-143,140.8) 3(-143,115.2) 4(-143,89.6) 5(-143,64) 6(-143,38.4) 7(-143,12.8) 8(-143,-12.8) 9(-143,-38.4) 10(-143,-64) 11(-143,-89.6) 12(-143,-115.2) 13(-143,-140.8) 14(-143,-166.4) 15(143,-166.4) 16(143,-140.8) 17(143,-115.2) 18(143,-89.6) 19(143,-64) 20(143,-38.4) 21(143,-12.8) 22(143,12.8) 23(143,38.4) 24(143,64) 25(143,89.6) 26(143,115.2) 27(143,140.8) 28(143,166.4)
  silkscreen extent -196,-212 196,212, body extent -161,-206 161,206, height 67
"SW DIP-2P" [mm] "6.6*9.9*7mm"
  rect 1.7x1.7 hole 0.9: 1(-1.27,-3.81)
  round 1.7 hole 0.9: 2(1.27,-3.81) 3(1.27,3.81) 4(-1.27,3.81)
  silkscreen extent -3.43,-5.08 3.43,4.95, body extent -3.32,-4.95 3.32,4.95, height 6.65
SWPA3015 [mm] "轮廓3mm*3mm ，焊盘间距1.5mm          淘宝ID:黄晶宝石"
  rect 0.8x2.7 smd: 1(-1.15,0) 2(1.15,0)
  silkscreen extent -2,-2 2,2, body extent -1.5,-1.5 1.5,1.5, height 1.5
SWPA5020 [mm] "轮廓5mm*5mm ，焊盘间距2.3mm          淘宝ID:黄晶宝石"
  rect 1.4x4.2 smd: 1(-1.85,0) 2(1.85,0)
  silkscreen extent -3,-3 3,3, body extent -2.5,-2.5 2.5,2.5, height 2
UKG_52A_ADI [mil]
  rect 32x10 smd paste+0 mask+0: 1(-136,127.95) 2(-136,108.27) 3(-136,88.58) 4(-136,68.9) 5(-136,49.21) 6(-136,29.53) 7(-136,9.84) 8(-136,-9.84) 9(-136,-29.53) 10(-136,-49.21) 11(-136,-68.9) 12(-136,-88.58) 13(-136,-108.27) 14(-136,-127.95) 27(136,-127.95) 28(136,-108.27) 29(136,-88.58) 30(136,-68.9) 31(136,-49.21) 32(136,-29.53) 33(136,-9.84) 34(136,9.84) 35(136,29.53) 36(136,49.21) 37(136,68.9) 38(136,88.58) 39(136,108.27) 40(136,127.95)
  rect 10x32 smd paste+0 mask+0: 15(-108.27,-155.5) 16(-88.58,-155.5) 17(-68.9,-155.5) 18(-49.21,-155.5) 19(-29.53,-155.5) 20(-9.84,-155.5) 21(9.84,-155.5) 22(29.53,-155.5) 23(49.21,-155.5) 24(68.9,-155.5) 25(88.58,-155.5) 26(108.27,-155.5) 41(108.27,155.5) 42(88.58,155.5) 43(68.9,155.5) 44(49.21,155.5) 45(29.53,155.5) 46(9.84,155.5) 47(-9.84,155.5) 48(-29.53,155.5) 49(-49.21,155.5) 50(-68.9,155.5) 51(-88.58,155.5) 52(-108.27,155.5)
  rect 213x254 smd paste-106.5 mask+0: 53(0,0)
  silkscreen extent -172,-192 172,192, body extent -140,-159 140,159, height 32